# KiCad board Batch 1.kicad_pcb (continued)
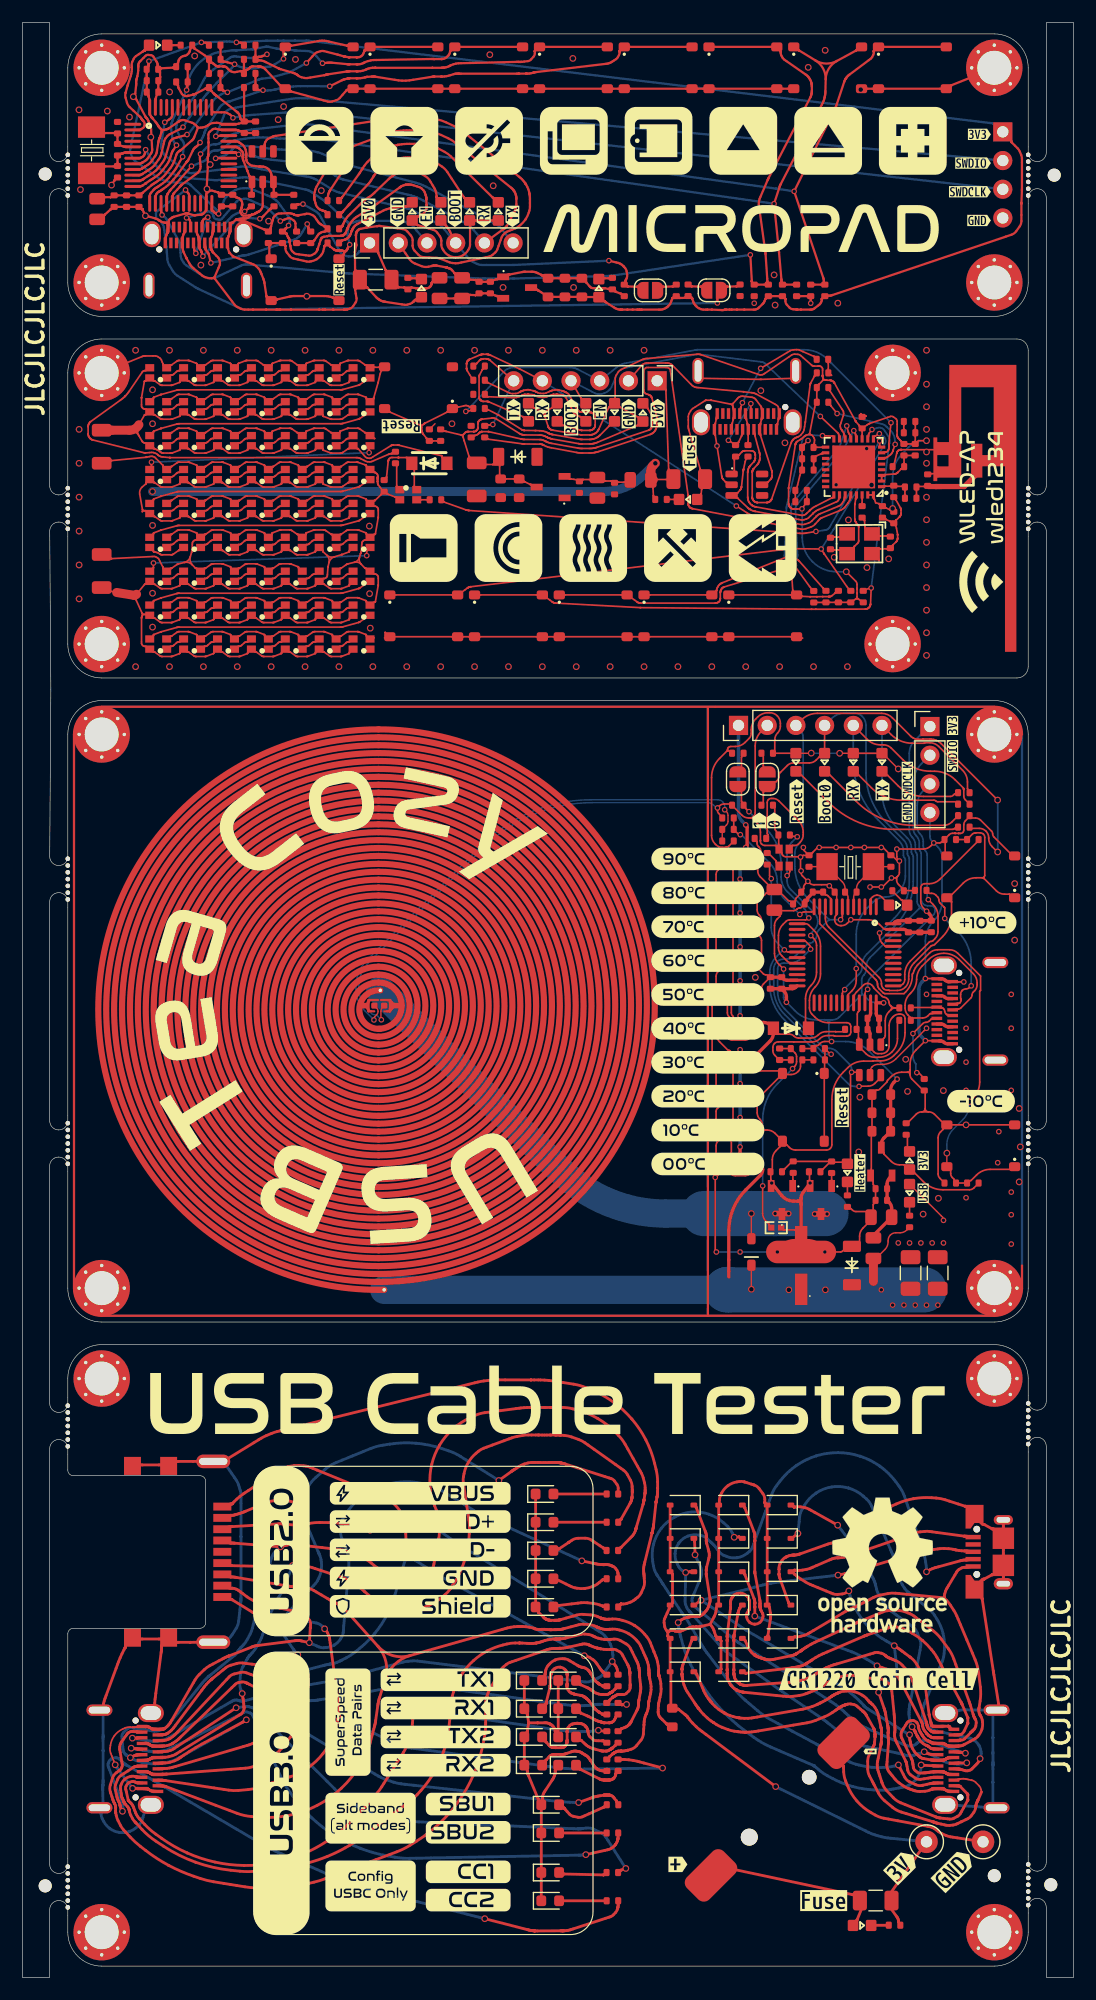
[diagram p0: board, top side]
## Routing (per net, layer and track width the routed paths; a pad name or vN(x,y) marks a point on that pad's centre or on a via; arc(x,y) is an arc through that point) (continued)
VBUS: length 127
  Top w0.13: v2(81.5,67) 81.5,67.1 arc(81.48,67.19) 81.43,67.27 LED21.2 ; ESD3.5 75,80.13 arc(75.05,80.38) 75.19,80.59 75.2,80.6 arc(75.42,80.75) 75.68,80.8 76.1,80.8 arc(76.75,80.93) 77.29,81.29 v2(80,84)
  Top w0.15: 62.84,139.08 62.89,138.95 arc(62.89,138.94) 62.89,138.93 62.9,138.91 arc(62.9,138.9) 62.9,138.89 62.9,138.84 arc(62.9,138.8) 62.91,138.76 62.94,138.6 arc(62.96,138.4) 62.94,138.2 62.91,138.04 arc(62.9,138) 62.9,137.96 62.9,137.92 arc(62.9,137.91) 62.9,137.9 62.9,137.88 arc(62.9,137.87) 62.89,137.86 arc(62.89,137.85) 62.89,137.85 62.81,137.55 arc(62.81,137.54) 62.81,137.54 arc(62.81,137.53) 62.8,137.52 62.8,137.5 arc(62.8,137.49) 62.8,137.48 62.8,137.44 arc(62.8,137.4) 62.79,137.36 J4.A9 ; 62.84,139.08 arc(62.84,139.2) 62.89,139.3 ; 62.84,139.08 arc(62.78,139.18) 62.68,139.23 ; ESD2.5 65.97,132.33 arc(65.97,132.33) 65.97,132.33 arc(65.97,132.33) 65.97,132.33 65.98,132.33 arc(65.98,132.34) 65.98,132.34 66.19,132.57 arc(66.2,132.57) 66.2,132.58 arc(66.2,132.58) 66.21,132.59 66.22,132.6 arc(66.22,132.6) 66.22,132.61 66.27,132.68 arc(66.28,132.69) 66.28,132.7 66.3,132.73 arc(66.3,132.75) 66.3,132.76 66.32,132.83 arc(66.32,132.84) 66.32,132.84 arc(66.32,132.85) 66.32,132.86 66.32,132.88 arc(66.33,132.88) 66.33,132.89 66.33,133.21 arc(66.33,133.22) 66.32,133.22 66.32,133.24 arc(66.32,133.25) 66.32,133.26 arc(66.32,133.26) 66.32,133.27 66.31,133.32 arc(66.31,133.32) 66.31,133.33 arc(66.31,133.33) 66.3,133.33 66.3,133.34 arc(66.3,133.35) 66.3,133.35 arc(66.3,133.36) 66.3,133.36 65.32,136.43 arc(65.31,136.44) 65.31,136.45 arc(65.31,136.46) 65.31,136.47 65.3,136.49 arc(65.3,136.5) 65.3,136.51 65.3,136.56 arc(65.3,136.6) 65.29,136.64 65.26,136.8 arc(65.24,137) 65.26,137.2 65.29,137.36 arc(65.3,137.4) 65.3,137.44 65.3,137.48 arc(65.3,137.49) 65.3,137.5 65.3,137.52 arc(65.3,137.53) 65.31,137.54 arc(65.31,137.54) 65.31,137.55 65.39,137.85 arc(65.39,137.85) 65.39,137.86 arc(65.4,137.87) 65.4,137.88 65.4,137.9 arc(65.4,137.91) 65.4,137.92 65.4,137.96 arc(65.4,138) 65.41,138.04 65.44,138.2 arc(65.46,138.4) 65.44,138.6 65.41,138.76 arc(65.4,138.8) 65.4,138.84 65.4,138.9 arc(65.4,138.92) 65.39,138.94 65.38,138.98 arc(65.37,139) 65.36,139.02 64.95,139.57 64.88,139.67 arc(64.84,139.71) 64.79,139.74 64.69,139.8 arc(64.63,139.83) 64.58,139.84 64.46,139.85 63.7,139.94 arc(63.63,139.94) 63.56,139.92 63.43,139.87 arc(63.37,139.84) 63.32,139.79 63.23,139.69 62.89,139.3 ; 62.89,139.3 arc(62.79,139.24) 62.68,139.23 ; 62.68,139.23 60.94,139.58 arc(60.93,139.58) 60.93,139.58 arc(60.93,139.58) 60.93,139.58 60.92,139.58 arc(60.92,139.58) 60.92,139.58 60.48,139.58 arc(60.47,139.58) 60.46,139.58 60.45,139.57 arc(60.45,139.57) 60.44,139.57 arc(60.44,139.57) 60.44,139.56 59.55,139 59.31,138.84 arc(59.2,138.75) 59.12,138.64 58.98,138.39 arc(58.93,138.26) 58.91,138.12 58.91,137.24 arc(58.92,137.2) 58.92,137.16 58.93,137.08 arc(58.94,137.04) 58.95,137 58.97,136.92 59.98,133.47 arc(59.98,133.47) 59.98,133.47 arc(59.98,133.47) 59.98,133.47 arc(59.98,133.47) 59.98,133.47 60.21,132.98 arc(60.31,132.6) 60.25,132.2 60.11,131.83 arc(60.1,131.8) 60.1,131.76 60.1,131.73 arc(60.1,131.72) 60.1,131.72 arc(60.1,131.72) 60.1,131.71 60.05,131.3 arc(60.05,131.3) 60.05,131.3 arc(60.05,131.29) 60.05,131.29 LED13.2
  Top w0.2: ESD1.5 21.43,162.14 arc(21.43,162.14) 21.43,162.15 arc(21.43,162.15) 21.43,162.15 arc(21.43,162.15) 21.43,162.15 21.43,162.25 arc(21.44,162.34) 21.48,162.43 21.59,162.6 arc(21.65,162.67) 21.73,162.72 22.08,162.88 22.14,162.91 arc(22.17,162.92) 22.2,162.93 22.26,162.95 arc(22.29,162.96) 22.32,162.96 22.38,162.97 32.94,164.57 33.2,164.61 arc(33.33,164.62) 33.47,164.64 33.73,164.66 arc(33.86,164.66) 34,164.67 35,164.67 arc(35.18,164.66) 35.35,164.65 35.7,164.61 arc(35.87,164.59) 36.04,164.56 36.66,164.44 arc(37.07,164.33) 37.47,164.18 38.25,163.81 arc(38.63,163.61) 38.98,163.36 39.65,162.82 43.93,159.37 44.07,159.26 arc(44.13,159.2) 44.19,159.14 44.31,159.01 arc(44.37,158.94) 44.42,158.87 44.51,158.73 44.57,158.65 arc(44.62,158.56) 44.67,158.46 44.76,158.25 arc(44.8,158.14) 44.82,158.03 44.87,157.81 arc(44.88,157.75) 44.88,157.7 44.9,157.58 arc(44.9,157.53) 44.9,157.47 44.9,156.69 arc(44.89,156.52) 44.85,156.36 44.8,156.19 arc(44.68,155.87) 44.51,155.58 arc(44.29,155.31) 44.05,155.08 43.91,154.97 arc(43.77,154.87) 43.62,154.79 42.88,154.5 arc(42.77,154.44) 42.68,154.37 42.52,154.19 arc(42.44,154.1) 42.39,153.99 42.31,153.76 42.01,152.92 arc(41.94,152.78) 41.83,152.65 41.58,152.44 arc(41.45,152.35) 41.29,152.29 40.97,152.22 38.83,151.77 38.57,151.72 arc(38.44,151.7) 38.31,151.7 38.04,151.72 arc(37.91,151.74) 37.79,151.78 37.06,152.07 36.97,152.11 arc(36.92,152.13) 36.87,152.14 36.77,152.16 arc(36.72,152.17) 36.67,152.18 36.57,152.18 35.46,152.25 arc(35.23,152.3) 35.04,152.44 34.69,152.81 arc(34.56,153.01) 34.52,153.25 34.52,153.74 arc(34.48,153.96) 34.36,154.16 34.05,154.52 arc(33.87,154.66) 33.66,154.73 33.18,154.79 31.63,155 arc(31.61,155) 31.58,155 31.54,155 arc(31.52,155) 31.5,155 31.38,154.99 arc(31.37,154.99) 31.37,154.98 30.45,154.86 arc(30.44,154.86) 30.44,154.86 arc(30.43,154.86) 30.43,154.86 30.42,154.86 arc(30.42,154.85) 30.41,154.85 arc(30.41,154.85) 30.4,154.85 29.85,154.73 arc(29.81,154.72) 29.79,154.71 29.73,154.68 arc(29.7,154.66) 29.68,154.64 29.6,154.55 arc(29.59,154.54) 29.59,154.52 29.57,154.49 arc(29.56,154.48) 29.56,154.46 29.52,154.34 arc(29.52,154.33) 29.51,154.32 29.51,154.3 arc(29.51,154.29) 29.51,154.28 29.5,154.19 arc(29.5,154.19) 29.5,154.19 arc(29.5,154.18) 29.5,154.18 29.5,154.17 arc(29.5,154.17) 29.5,154.17 arc(29.5,154.16) 29.5,154.16 29.53,153.38 29.53,153.35 arc(29.53,153.33) 29.53,153.32 29.53,153.28 arc(29.52,153.27) 29.52,153.25 29.42,152.73 arc(29.42,152.71) 29.41,152.7 29.41,152.68 arc(29.41,152.67) 29.41,152.66 29.41,152.63 29.43,151.13 arc(29.43,151.13) 29.43,151.12 29.43,151.12 arc(29.43,151.12) 29.43,151.12 arc(29.43,151.12) 29.43,151.12 29.65,150.66 ; 17,150.36 18.54,148.32 18.75,148.05 arc(18.87,147.92) 19.01,147.83 19.32,147.68 arc(19.48,147.62) 19.65,147.6 20.39,147.6 21.56,147.6 22.45,147.6 arc(22.46,147.6) 22.47,147.6 22.47,147.6 arc(22.48,147.6) 22.48,147.6 arc(22.48,147.6) 22.48,147.6 22.5,147.6 arc(22.5,147.6) 22.5,147.6 arc(22.5,147.6) 22.51,147.6 22.7,147.6 arc(22.7,147.6) 22.7,147.6 22.8,147.6 23.75,147.6 26.25,147.6 26.58,147.6 26.77,147.6 27.5,147.6 28.45,147.6 arc(28.46,147.6) 28.47,147.6 28.47,147.6 arc(28.48,147.6) 28.48,147.6 arc(28.48,147.6) 28.48,147.6 28.49,147.6 arc(28.5,147.6) 28.51,147.6 28.53,147.6 arc(28.56,147.6) 28.6,147.6 28.66,147.61 arc(28.69,147.62) 28.72,147.62 28.75,147.63 arc(28.75,147.63) 28.75,147.63 arc(28.76,147.63) 28.76,147.63 28.95,147.68 arc(29.12,147.76) 29.26,147.9 29.47,148.24 arc(29.55,148.42) 29.55,148.61 29.43,149.36 arc(29.43,149.37) 29.43,149.37 arc(29.43,149.37) 29.43,149.37 29.43,149.38 arc(29.43,149.38) 29.43,149.38 arc(29.43,149.38) 29.43,149.38 arc(29.43,149.38) 29.43,149.38 29.65,149.84 ; 17,150.36 arc(16.95,150.39) 16.9,150.4 ; 17,150.36 arc(16.98,150.41) 16.98,150.46 ; 16.98,150.46 17.44,151.53 arc(17.47,151.64) 17.46,151.76 17.42,152 arc(17.38,152.1) 17.31,152.2 16.87,152.65 arc(16.86,152.67) 16.84,152.68 16.82,152.71 arc(16.81,152.73) 16.8,152.74 16.8,152.75 arc(16.79,152.76) 16.79,152.77 16.78,152.78 arc(16.77,152.79) 16.77,152.8 16.75,152.82 arc(16.75,152.83) 16.74,152.84 16.74,152.85 arc(16.74,152.85) 16.73,152.86 arc(16.73,152.86) 16.73,152.86 16.72,152.87 arc(16.71,152.88) 16.71,152.9 16.7,152.92 arc(16.69,152.94) 16.69,152.95 16.68,153.01 arc(16.68,153.01) 16.68,153.01 16.68,153.02 arc(16.68,153.02) 16.68,153.02 16.68,153.08 arc(16.67,153.13) 16.67,153.18 16.65,153.31 arc(16.64,153.5) 16.65,153.69 16.67,153.83 arc(16.67,153.88) 16.68,153.93 16.68,153.97 arc(16.68,153.98) 16.68,153.98 arc(16.68,153.98) 16.68,153.99 16.7,154.02 arc(16.72,154.05) 16.74,154.08 16.77,154.16 arc(16.78,154.2) 16.79,154.23 16.82,154.36 arc(16.82,154.37) 16.82,154.37 arc(16.82,154.38) 16.82,154.39 16.82,154.4 arc(16.82,154.41) 16.82,154.42 16.82,154.48 arc(16.83,154.53) 16.83,154.58 J1.A9 ; 16.98,150.46 arc(16.95,150.42) 16.9,150.4 ; 29.65,150.66 arc(29.88,150.27) 30.16,149.91 ; 29.65,150.66 arc(29.74,150.25) 29.65,149.84 ; LED6.2 34.94,148.5 arc(34.9,148.48) 34.85,148.48 34.79,148.48 arc(34.78,148.47) 34.77,148.47 34.75,148.46 arc(34.74,148.46) 34.73,148.45 34.7,148.41 arc(34.69,148.4) 34.67,148.38 34.64,148.35 arc(34.62,148.33) 34.61,148.32 34.49,148.22 arc(34.39,148.15) 34.28,148.1 34.05,148.04 arc(33.93,148.02) 33.81,148.02 32.13,148.28 arc(32.11,148.29) 32.08,148.29 arc(32.06,148.3) 32.04,148.3 31.91,148.33 arc(31.86,148.34) 31.81,148.36 31.71,148.4 arc(31.66,148.42) 31.61,148.45 31.46,148.55 arc(31.43,148.57) 31.41,148.59 31.36,148.63 arc(31.33,148.65) 31.31,148.68 31.27,148.73 30.5,149.55 arc(30.5,149.55) 30.5,149.56 arc(30.5,149.56) 30.5,149.56 30.49,149.56 arc(30.49,149.56) 30.49,149.57 30.49,149.57 arc(30.49,149.57) 30.49,149.57 arc(30.49,149.57) 30.48,149.57 arc(30.48,149.57) 30.48,149.57 30.48,149.57 arc(30.47,149.58) 30.47,149.58 arc(30.47,149.58) 30.47,149.58 arc(30.47,149.58) 30.47,149.58 30.16,149.91 ; 16.9,150.4 16.7,150.37 arc(16.56,150.37) 16.42,150.39 16.15,150.47 arc(16.02,150.53) 15.91,150.6 15.05,151.32 arc(15,151.36) 14.96,151.41 14.88,151.5 arc(14.85,151.55) 14.81,151.6 14.51,152.13 arc(14.51,152.14) 14.51,152.14 14.5,152.16 arc(14.49,152.17) 14.49,152.18 14.27,152.65 14.23,152.73 arc(14.22,152.77) 14.2,152.81 14.18,152.9 arc(14.18,152.94) 14.18,152.98 14.18,153.08 arc(14.17,153.13) 14.17,153.18 14.15,153.31 arc(14.14,153.5) 14.15,153.69 14.17,153.83 arc(14.17,153.88) 14.18,153.93 14.18,153.98 arc(14.18,153.99) 14.18,154 14.18,154.01 arc(14.18,154.02) 14.18,154.03 arc(14.18,154.03) 14.18,154.04 14.21,154.17 arc(14.22,154.21) 14.23,154.24 14.26,154.31 arc(14.28,154.35) 14.3,154.38 14.32,154.42 arc(14.32,154.43) 14.32,154.43 14.32,154.48 arc(14.33,154.53) 14.33,154.58 J1.A4 ; 30.16,149.91 arc(29.88,150.01) 29.65,149.84
  Top w0.3: J8.A4 81.31,84.38 arc(81.47,84.34) 81.61,84.25 arc(81.75,84.16) 81.91,84.13 J8.B9 ; J8.B4 81.91,86.63 arc(81.75,86.66) 81.61,86.75 arc(81.47,86.84) 81.31,86.87 J8.A9
  vias: v2(77.5,65) v2(78.5,65) v2(79.5,65) v2(80,87) v2(80.5,65) v2(81.5,65) v2(83.5,84) v2(83.5,81) v2(83.5,78.5) v2(83.5,69) v2(86.3,72.1) v2(86.4,74.85) v2(87.5,87) v2(87.5,84) v2(87.5,78.5) v2(87.5,69.5) v2(87.5,67.5) v2(87.5,64.9)
/Antenna: length 3.1
  Top w0.15: L2.2 78.09,131.8 arc(78.06,131.88) 77.99,131.93 77.93,131.95 arc(77.89,131.96) 77.86,131.96 77.38,131.96 arc(77.35,131.96) 77.31,131.97 77.22,131.99 arc(77.1,132.01) 76.98,132 76.89,131.98 arc(76.85,131.98) 76.82,131.97 76.32,131.97 arc(76.28,131.97) 76.24,131.97 U4.1
/BOOT0: length 89.3
  Top w0.15: 65.55,104.06 65.55,104.85 arc(65.55,104.87) 65.57,104.89 65.58,104.9 ; U6.44 76.39,91.25 arc(76.36,91.26) 76.33,91.28 76.08,91.52 arc(75.91,91.79) 75.84,92.1 v2(75.84,92.43) ; 66.65,105.82 66.67,105.82 arc(66.68,105.82) 66.69,105.83 66.8,105.94 arc(66.89,106.07) 66.92,106.23 66.92,106.28 arc(66.97,106.48) 67.08,106.65 67.68,107.26 arc(67.93,107.42) 68.23,107.48 69.62,107.48 arc(69.95,107.55) 70.23,107.73 70.48,107.98 arc(70.48,107.98) 70.48,107.98 70.49,107.98 ; J6.4 70.98,108.81
  Top w0.2: J2.4 37.78,154.59 arc(37.74,154.66) 37.7,154.72 37.61,154.85 arc(37.57,154.91) 37.52,154.97 37.46,155.03 arc(37.45,155.04) 37.44,155.05 LED5.2 ; v2(12.58,164.18) 12.61,164.19 arc(12.62,164.2) 12.63,164.21 12.66,164.22 arc(12.67,164.23) 12.68,164.23 13.08,164.51 arc(13.13,164.55) 13.16,164.6 13.22,164.71 arc(13.24,164.76) 13.25,164.82 U2.44 ; JP2.1 54.41,149.62 arc(54.41,149.62) 54.41,149.62 54.41,149.62 arc(54.4,149.62) 54.4,149.62 53.57,149.65 arc(53.57,149.65) 53.57,149.65 53.57,149.65 arc(53.57,149.65) 53.56,149.65 53.33,149.77 arc(53.29,149.82) 53.29,149.9 53.31,149.94 arc(53.33,149.98) 53.33,150.03 53.33,150.09 arc(53.34,150.09) 53.34,150.1 53.34,150.11 arc(53.34,150.12) 53.34,150.12 53.36,150.15 arc(53.36,150.16) 53.37,150.17 arc(53.37,150.18) 53.38,150.19 53.39,150.21 arc(53.39,150.22) 53.4,150.23 53.4,150.24 arc(53.4,150.24) 53.4,150.24 arc(53.4,150.24) 53.41,150.24 53.47,150.39 arc(53.51,150.54) 53.51,150.69 53.46,151 arc(53.41,151.15) 53.33,151.28 53.15,151.47 arc(53.09,151.53) 53.02,151.58 52.88,151.67 arc(52.8,151.71) 52.72,151.73 v2(51.89,151.93)
  Bottom w0.15: J6.4 71.54,111.36 arc(72.17,111.78) 72.9,111.93 73.52,111.93 arc(73.95,111.84) 74.32,111.6 arc(74.56,111.23) 74.64,110.8 74.64,106.59 arc(75.12,104.2) 76.48,102.17 77.95,100.69 arc(78.22,100.3) 78.31,99.83 78.31,99.45 arc(78.33,99.34) 78.39,99.25 arc(78.45,99.15) 78.47,99.04 78.47,96.92 arc(78.13,95.21) 77.16,93.75 v2(75.84,92.43)
  Bottom w0.2: v2(51.89,151.93) 43.54,151.55 arc(43.5,151.55) 43.45,151.55 arc(43.41,151.55) 43.37,151.55 41.09,151.55 40.65,151.55 arc(40.44,151.57) 40.24,151.64 39.85,151.83 arc(39.67,151.94) 39.51,152.08 J2.4 37.35,154.68 37.23,154.82 arc(37.16,154.89) 37.09,154.95 36.95,155.07 arc(36.87,155.13) 36.79,155.17 36.63,155.26 34.83,156.23 34.65,156.33 arc(34.55,156.37) 34.46,156.41 34.27,156.48 arc(34.17,156.52) 34.07,156.54 33.87,156.59 28.22,157.91 28.02,157.96 arc(27.92,157.99) 27.82,158.03 27.63,158.11 arc(27.53,158.15) 27.44,158.2 27.26,158.31 26.22,158.96 26.01,159.09 arc(25.9,159.15) 25.79,159.2 25.56,159.28 arc(25.45,159.32) 25.33,159.34 25.09,159.38 21.63,159.94 21.41,159.97 arc(21.3,159.99) 21.19,160.01 20.98,160.05 arc(20.87,160.08) 20.77,160.1 20.43,160.19 arc(20.25,160.22) 20.05,160.24 19.67,160.26 arc(19.48,160.26) 19.29,160.25 18.9,160.19 17.24,159.96 arc(17.23,159.96) 17.22,159.95 arc(17.21,159.95) 17.2,159.95 15.08,159.69 14.97,159.67 arc(14.91,159.67) 14.85,159.68 14.74,159.71 arc(14.69,159.73) 14.64,159.76 12.99,160.94 12.68,161.16 arc(12.54,161.29) 12.45,161.45 12.3,161.81 arc(12.25,161.99) 12.26,162.17 12.32,162.55 12.54,163.99 12.55,164.03 arc(12.55,164.05) 12.56,164.07 12.56,164.11 arc(12.57,164.13) 12.57,164.15 12.58,164.16 arc(12.58,164.17) 12.58,164.17 v2(12.58,164.18)
/BOOT1: length 81.9
  Top w0.15: v2(64.29,103.17) 64.02,103.43 arc(64.02,103.44) 64.02,103.44 64.02,103.44 ; U6.20 68.2,89.75 arc(67.88,89.81) 67.61,90 67.19,90.41 arc(66.97,90.74) 66.9,91.13 66.9,92.23 arc(67,92.75) 67.29,93.19 67.56,93.46 arc(67.71,93.55) 67.88,93.59 69.28,93.59 arc(69.4,93.61) 69.49,93.67 v2(69.58,93.76) ; 63.62,104.9 63.62,104.1 arc(63.62,104.09) 63.63,104.07 63.65,104.06
  Top w0.2: v2(14.42,158.19) 14.66,157.9 arc(14.69,157.87) 14.71,157.83 14.74,157.74 arc(14.75,157.7) 14.75,157.66 U2.20 ; v2(61.49,148.18) 61.49,148.61 arc(61.5,148.66) 61.51,148.7 61.71,149.05 arc(61.88,149.29) 62.09,149.47 62.34,149.63 arc(62.34,149.63) 62.34,149.63 62.34,149.63 arc(62.35,149.63) 62.35,149.63 63.18,149.66 arc(63.18,149.66) 63.18,149.66 arc(63.18,149.66) 63.18,149.66 63.18,149.66 arc(63.18,149.66) 63.19,149.66 R19.2
  Bottom w0.15: v2(64.29,103.17) 65.83,101.63 arc(66.79,100.18) 67.13,98.48 67.13,97.4 arc(67.27,96.69) 67.67,96.09 69.2,94.56 arc(69.32,94.4) 69.35,94.2 69.35,94.14 arc(69.38,94) 69.47,93.87 v2(69.58,93.76)
  Bottom w0.2: v2(14.42,158.19) 12.14,156.49 11.91,156.33 arc(11.83,156.23) 11.8,156.1 11.81,155.82 arc(11.84,155.7) 11.93,155.61 12.14,155.46 arc(12.23,155.39) 12.3,155.3 12.43,155.1 arc(12.48,154.99) 12.5,154.88 12.54,154.65 12.73,153.16 arc(12.73,153.16) 12.73,153.15 arc(12.73,153.15) 12.73,153.15 12.77,152.68 12.81,152.08 arc(12.87,151.79) 12.99,151.53 13.3,151.01 arc(13.48,150.78) 13.71,150.59 14.21,150.27 15.26,149.6 15.33,149.56 arc(15.36,149.54) 15.4,149.52 15.47,149.47 arc(15.51,149.46) 15.55,149.44 15.63,149.4 19.12,147.77 19.27,147.7 arc(19.35,147.67) 19.43,147.65 arc(19.68,147.61) 19.92,147.6 v2(61.49,148.18)
/BOOT_IO9: length 30.7
  Top w0.15: LED10.2 49.42,139.76 arc(49.42,139.76) 49.42,139.76 J5.4 ; U4.15 72.24,136.37 arc(72.24,136.41) 72.24,136.44 72.24,136.51 arc(72.23,136.54) 72.22,136.57 72.2,136.62 arc(72.18,136.65) 72.16,136.67 72.12,136.72 v2(70.61,138.15)
  Bottom w0.15: J5.4 50.43,140.32 50.65,140.2 arc(50.76,140.16) 50.88,140.14 51,140.13 arc(51.25,140.14) 51.48,140.2 arc(51.7,140.3) 51.89,140.45 51.98,140.54 arc(52.06,140.63) 52.12,140.74 52.48,141.61 52.59,141.88 arc(52.66,142.01) 52.76,142.12 52.99,142.3 arc(53.12,142.38) 53.25,142.43 53.55,142.48 59.66,143.64 arc(59.69,143.65) 59.72,143.65 59.78,143.65 arc(59.82,143.65) 59.85,143.65 59.91,143.64 65.35,142.98 65.44,142.97 arc(65.48,142.96) 65.53,142.94 65.61,142.9 arc(65.65,142.88) 65.69,142.85 65.75,142.78 v2(70.61,138.15)
/CC1: length 89.4
  Top w0.15: R38.1 70.08,141.71 arc(70.08,141.7) 70.08,141.7 arc(70.08,141.7) 70.08,141.7 69.75,141.1 69.74,141.08 arc(69.73,141.07) 69.73,141.06 69.72,141.04 arc(69.72,141.03) 69.71,141.01 arc(69.71,141) 69.71,140.99 69.71,140.98 arc(69.71,140.98) 69.71,140.97 arc(69.71,140.97) 69.71,140.97 69.7,140.96 arc(69.7,140.95) 69.7,140.94 arc(69.7,140.93) 69.7,140.92 69.28,137.68 arc(69.28,137.66) 69.27,137.64 arc(69.27,137.62) 69.27,137.6 69.16,136.97 arc(69.13,136.84) 69.06,136.73 68.88,136.51 arc(68.79,136.42) 68.67,136.36 68.41,136.26 arc(68.38,136.24) 68.34,136.22 68.27,136.17 arc(68.24,136.14) 68.21,136.11 68.19,136.09 arc(68.18,136.08) 68.17,136.07 arc(68.17,136.07) 68.16,136.06 68.14,136.04 arc(68.12,136.01) 68.1,135.98 68.07,135.92 arc(68.05,135.89) 68.04,135.86 68.01,135.79 66.3,130.85 66.29,130.83 arc(66.29,130.82) 66.28,130.81 66.28,130.79 arc(66.27,130.78) 66.27,130.77 66.22,130.7 arc(66.21,130.69) 66.2,130.68 66.17,130.65 arc(66.16,130.64) 66.15,130.63 66.07,130.58 arc(66.06,130.57) 66.05,130.57 66.02,130.55 arc(66,130.55) 65.99,130.55 65.92,130.53 arc(65.91,130.53) 65.91,130.53 arc(65.9,130.53) 65.89,130.53 65.87,130.53 arc(65.87,130.52) 65.86,130.52 65.04,130.52 arc(65.03,130.52) 65.03,130.53 65.01,130.53 arc(65,130.53) 64.99,130.53 arc(64.99,130.53) 64.98,130.53 64.91,130.55 arc(64.9,130.55) 64.88,130.55 64.85,130.57 arc(64.84,130.57) 64.83,130.58 64.79,130.61 arc(64.79,130.61) 64.79,130.61 64.75,130.63 arc(64.74,130.64) 64.72,130.65 64.7,130.68 arc(64.69,130.69) 64.68,130.7 64.63,130.78 arc(64.62,130.79) 64.62,130.8 64.6,130.83 arc(64.6,130.85) 64.6,130.86 64.59,130.91 arc(64.59,130.91) 64.59,130.91 64.58,130.94 arc(64.58,130.95) 64.58,130.96 64.58,130.98 arc(64.57,130.98) 64.57,130.99 64.57,133.21 arc(64.57,133.22) 64.58,133.22 64.58,133.24 arc(64.58,133.25) 64.58,133.26 64.59,133.29 arc(64.59,133.29) 64.59,133.29 64.6,133.34 arc(64.6,133.35) 64.6,133.37 64.62,133.4 arc(64.62,133.41) 64.63,133.42 64.66,133.46 arc(64.66,133.46) 64.66,133.46 64.67,133.48 arc(64.67,133.49) 64.68,133.49 arc(64.68,133.5) 64.68,133.5 64.69,133.51 arc(64.69,133.52) 64.7,133.52 65.03,133.88 arc(65.04,133.89) 65.04,133.9 65.06,133.92 arc(65.07,133.93) 65.08,133.94 65.13,134.03 arc(65.15,134.06) 65.17,134.09 65.19,134.16 arc(65.21,134.19) 65.21,134.23 65.24,134.33 arc(65.24,134.35) 65.24,134.37 65.24,134.4 arc(65.25,134.42) 65.25,134.44 65.25,134.74 arc(65.25,134.76) 65.24,134.78 65.24,134.81 arc(65.24,134.83) 65.24,134.85 arc(65.23,134.87) 65.23,134.88 65.23,134.89 arc(65.22,134.92) 65.22,134.94 arc(65.21,134.97) 65.2,134.99 64.81,136.46 arc(64.81,136.47) 64.8,136.48 64.8,136.5 arc(64.8,136.51) 64.8,136.52 64.8,136.56 arc(64.8,136.6) 64.79,136.64 J4.A5 ; v2(79.14,80.07) 79.29,80.07 79.59,79.78 ; J8.A5 80.55,84.81 arc(80.51,84.8) 80.47,84.8 80.42,84.8 arc(80.41,84.8) 80.39,84.79 80.25,84.65 arc(80.12,84.56) 79.96,84.53 arc(79.8,84.49) 79.66,84.4 78.81,83.55 arc(78.8,83.54) 78.8,83.54 v2(78.8,83.53)
  Top w0.2: v2(14.51,155.72) 14.7,155.62 arc(14.73,155.6) 14.76,155.57 14.8,155.5 arc(14.82,155.46) 14.82,155.42 14.82,155.33 arc(14.83,155.28) 14.83,155.23 J1.A5 ; R6.1 24.19,154.64 arc(24.17,154.68) 24.16,154.73 24.16,154.78 arc(24.16,154.78) 24.16,154.78 arc(24.16,154.78) 24.16,154.79 24.15,155.23 arc(24.11,155.37) 24.01,155.47 23.75,155.65 arc(23.61,155.7) 23.47,155.68 22.85,155.45 arc(22.84,155.44) 22.83,155.44 22.82,155.44 arc(22.82,155.44) 22.81,155.44 v2(22.81,155.43)
  Top w0.25: J11.A5 12.26,19.98 arc(12.33,19.98) 12.39,19.98 12.58,19.98 arc(12.72,19.99) 12.85,20.02 13.1,20.1 arc(13.23,20.15) 13.34,20.21 13.68,20.43 v1(18.9,23.86) ; v1(53.39,9.64) 52.97,9.49 arc(52.97,9.49) 52.97,9.49 arc(52.97,9.49) 52.97,9.49 52.97,9.49
  Bottom w0.15: v2(79.14,80.07) 79.05,80.16 79.05,80.84 arc(78.86,81.18) 78.8,81.55 v2(78.8,83.53)
  Bottom w0.2: v2(22.81,155.43) 21.79,156.49 arc(21.75,156.53) 21.7,156.56 21.61,156.63 arc(21.56,156.66) 21.51,156.68 21.41,156.72 19.93,157.37 arc(19.76,157.42) 19.58,157.41 19.23,157.32 arc(19.07,157.26) 18.93,157.15 18.7,156.87 17.82,155.86 17.63,155.64 arc(17.52,155.56) 17.39,155.56 17.11,155.61 arc(16.99,155.67) 16.92,155.78 16.87,155.92 arc(16.87,155.92) 16.87,155.93 arc(16.87,155.93) 16.87,155.93 16.84,156.03 arc(16.79,156.11) 16.71,156.17 16.53,156.27 arc(16.44,156.3) 16.34,156.28 16.15,156.22 v2(14.51,155.72)
  Bottom w0.25: v1(53.39,9.64) 51.63,12.4 arc(51.42,12.65) 51.14,12.83 50.52,13.12 arc(50.21,13.21) 49.88,13.22 49.48,13.16 arc(49.43,13.16) 49.39,13.15 49.3,13.15 arc(49.26,13.15) 49.22,13.15 49.14,13.15 arc(49.11,13.15) 49.08,13.15 48.77,13.16 arc(48.44,13.17) 48.1,13.18 35.09,13.77 33.71,13.83 arc(33.26,13.87) 32.81,13.95 32.36,14.06 arc(31.48,14.3) 30.63,14.63 arc(29.81,15.04) 29.03,15.52 28.65,15.78 arc(28.28,16.05) 27.94,16.36 26.96,17.33 20.83,23.43 20.53,23.73 arc(20.42,23.81) 20.3,23.87 20.04,23.96 arc(19.9,23.99) 19.76,23.98 19.64,23.96 arc(19.63,23.96) 19.62,23.96 arc(19.61,23.96) 19.6,23.96 arc(19.59,23.95) 19.58,23.95 v1(18.9,23.86)
/CC2: length 94.4
  Top w0.15: v2(65.32,142.4) 67.66,143.8 67.92,143.95 arc(68.05,144.01) 68.19,144.04 68.49,144.06 arc(68.63,144.05) 68.77,144.01 69.04,143.89 70.03,143.46 arc(70.03,143.46) 70.03,143.46 arc(70.03,143.46) 70.03,143.46 arc(70.03,143.46) 70.04,143.46 R43.1 ; J4.B5 63.54,138.76 arc(63.55,138.8) 63.55,138.84 63.55,138.89 arc(63.55,138.9) 63.55,138.91 63.56,138.93 arc(63.56,138.94) 63.56,138.95 v2(63.71,139.36) ; J8.B5 82.67,86.19 arc(82.71,86.2) 82.75,86.2 82.84,86.2 arc(82.9,86.21) 82.94,86.24 82.98,86.28 arc(83.04,86.37) 83.06,86.48 83.06,86.56 arc(83.06,86.59) 83.04,86.61 arc(83.02,86.63) 83.02,86.66 83.02,87 arc(83.06,87.18) 83.16,87.34 83.17,87.35 arc(83.31,87.45) 83.49,87.48 arc(83.67,87.52) 83.81,87.62 v2(83.95,87.76) ; v2(81.61,93.72) 81.61,94.63 arc(81.61,94.66) 81.59,94.69 81.57,94.71 arc(81.57,94.71) 81.57,94.71 arc(81.57,94.71) 81.56,94.71 81.22,95.06 arc(81.13,95.19) 81.1,95.34 arc(81.07,95.5) 80.98,95.63 80.82,95.79 arc(80.65,95.9) 80.46,95.94 80.25,95.94
  Top w0.2: v2(25.19,155.18) 25.19,155.17 arc(25.19,155.17) 25.19,155.17 25.21,155.14 arc(25.23,155.11) 25.24,155.07 25.26,155 arc(25.27,154.96) 25.28,154.92 25.28,154.89 arc(25.28,154.88) 25.28,154.88 arc(25.28,154.87) 25.28,154.87 25.28,154.86 arc(25.29,154.85) 25.29,154.84 25.29,154.81 arc(25.29,154.8) 25.29,154.79 arc(25.29,154.78) 25.3,154.77 R16.1 ; v2(16.66,151.73) 16.48,152.47 arc(16.47,152.5) 16.46,152.53 16.44,152.58 arc(16.43,152.6) 16.41,152.62 16.23,152.86 arc(16.22,152.88) 16.22,152.89 16.2,152.92 arc(16.2,152.93) 16.19,152.95 16.18,152.99 arc(16.18,153.03) 16.18,153.06 16.18,153.08 arc(16.17,153.13) 16.17,153.18 J1.B5
  Top w0.25: J11.B5 10.29,18.69 arc(10.23,18.68) 10.16,18.68 10.07,18.68 arc(10.03,18.68) 9.99,18.67 9.93,18.65 arc(9.89,18.64) 9.86,18.62 8.91,18.01 8.7,17.88 arc(8.53,17.72) 8.41,17.52 8.23,17.07 arc(8.18,16.84) 8.2,16.61 8.38,15.86 arc(8.39,15.82) 8.4,15.79 8.43,15.71 arc(8.45,15.68) 8.47,15.64 8.52,15.55 arc(8.54,15.51) 8.56,15.46 8.59,15.37 arc(8.61,15.32) 8.62,15.27 8.64,15.15 arc(8.65,15.1) 8.67,15.05 8.7,14.95 arc(8.72,14.9) 8.75,14.85 v1(8.84,14.7) ; 52.71,6.46 52.71,6.43 arc(52.71,6.39) 52.71,6.36 52.7,6.29 arc(52.7,6.26) 52.69,6.23 52.68,6.2 52.67,6.14 arc(52.67,6.14) 52.67,6.14 arc(52.67,6.14) 52.67,6.14 52.63,5.99 arc(52.57,5.86) 52.48,5.74 52.27,5.52 arc(52.16,5.43) 52.02,5.37 51.6,5.23 48.72,4.29 48.47,4.21 arc(48.38,4.18) 48.29,4.17 48.12,4.14 arc(48.03,4.13) 47.94,4.13 47.82,4.13 arc(47.81,4.13) 47.79,4.13 47.78,4.13 arc(47.77,4.13) 47.77,4.13 arc(47.76,4.13) 47.76,4.12 47.75,4.12 arc(47.73,4.12) 47.72,4.12 47.67,4.13 arc(47.65,4.13) 47.63,4.13 arc(47.62,4.13) 47.6,4.13 45.58,4.11 arc(45.5,4.11) 45.42,4.11 45.35,4.12 arc(45.34,4.12) 45.33,4.12 arc(45.33,4.12) 45.32,4.12 45.26,4.12 arc(45.24,4.12) 45.22,4.13 45.17,4.13 arc(45.14,4.13) 45.12,4.14 45,4.16 arc(44.96,4.16) 44.93,4.17 44.85,4.18 arc(44.81,4.19) 44.78,4.2 v1(40.9,5.19)
  Bottom w0.15: v2(81.61,93.72) 82.78,92.55 arc(83.65,91.25) 83.95,89.72 v2(83.95,87.76) ; v2(63.71,139.36) v2(65.32,142.4)
  Bottom w0.2: v2(25.19,155.18) 24.63,154.25 arc(24.56,154.15) 24.47,154.07 24.28,153.92 arc(24.18,153.85) 24.07,153.8 23.84,153.73 20.07,152.49 19.99,152.47 arc(19.95,152.46) 19.91,152.45 19.83,152.43 arc(19.79,152.42) 19.75,152.42 19.56,152.4 arc(19.51,152.39) 19.45,152.38 19.33,152.36 arc(19.28,152.34) 19.22,152.32 19.17,152.31 arc(19.17,152.31) 19.16,152.3 19.15,152.3 arc(19.15,152.3) 19.15,152.3 arc(19.15,152.3) 19.15,152.3 19.15,152.3 arc(19.14,152.3) 19.14,152.3 arc(19.14,152.3) 19.14,152.3 v2(16.66,151.73)
  Bottom w0.25: v1(40.9,5.19) 31.27,7.63 30.26,7.88 arc(29.93,7.97) 29.6,8.08 28.94,8.3 arc(28.61,8.42) 28.29,8.56 27.34,8.98 22.92,10.93 22.4,11.16 arc(22.23,11.24) 22.06,11.32 21.72,11.5 arc(21.56,11.58) 21.39,11.68 12.62,16.82 arc(12.61,16.83) 12.6,16.83 arc(12.6,16.84) 12.59,16.84 9.2,18.78 9.15,18.81 arc(9.14,18.82) 9.12,18.83 9.09,18.86 arc(9.07,18.87) 9.06,18.88 8.53,19.35 arc(8.44,19.41) 8.34,19.43 8.24,19.44 arc(8.03,19.42) 7.84,19.33 arc(7.7,19.19) 7.6,19 7.57,18.9 arc(7.55,18.8) 7.57,18.7 7.69,18.4 8.48,16.27 arc(8.49,16.27) 8.49,16.26 arc(8.49,16.25) 8.5,16.24 8.7,15.73 8.81,15.44 arc(8.84,15.34) 8.86,15.23 8.88,15.03 arc(8.88,14.92) 8.86,14.82 8.84,14.72 arc(8.84,14.72) 8.84,14.71 v1(8.84,14.7)